# KiCad board trifecta.kicad_pcb (continued)
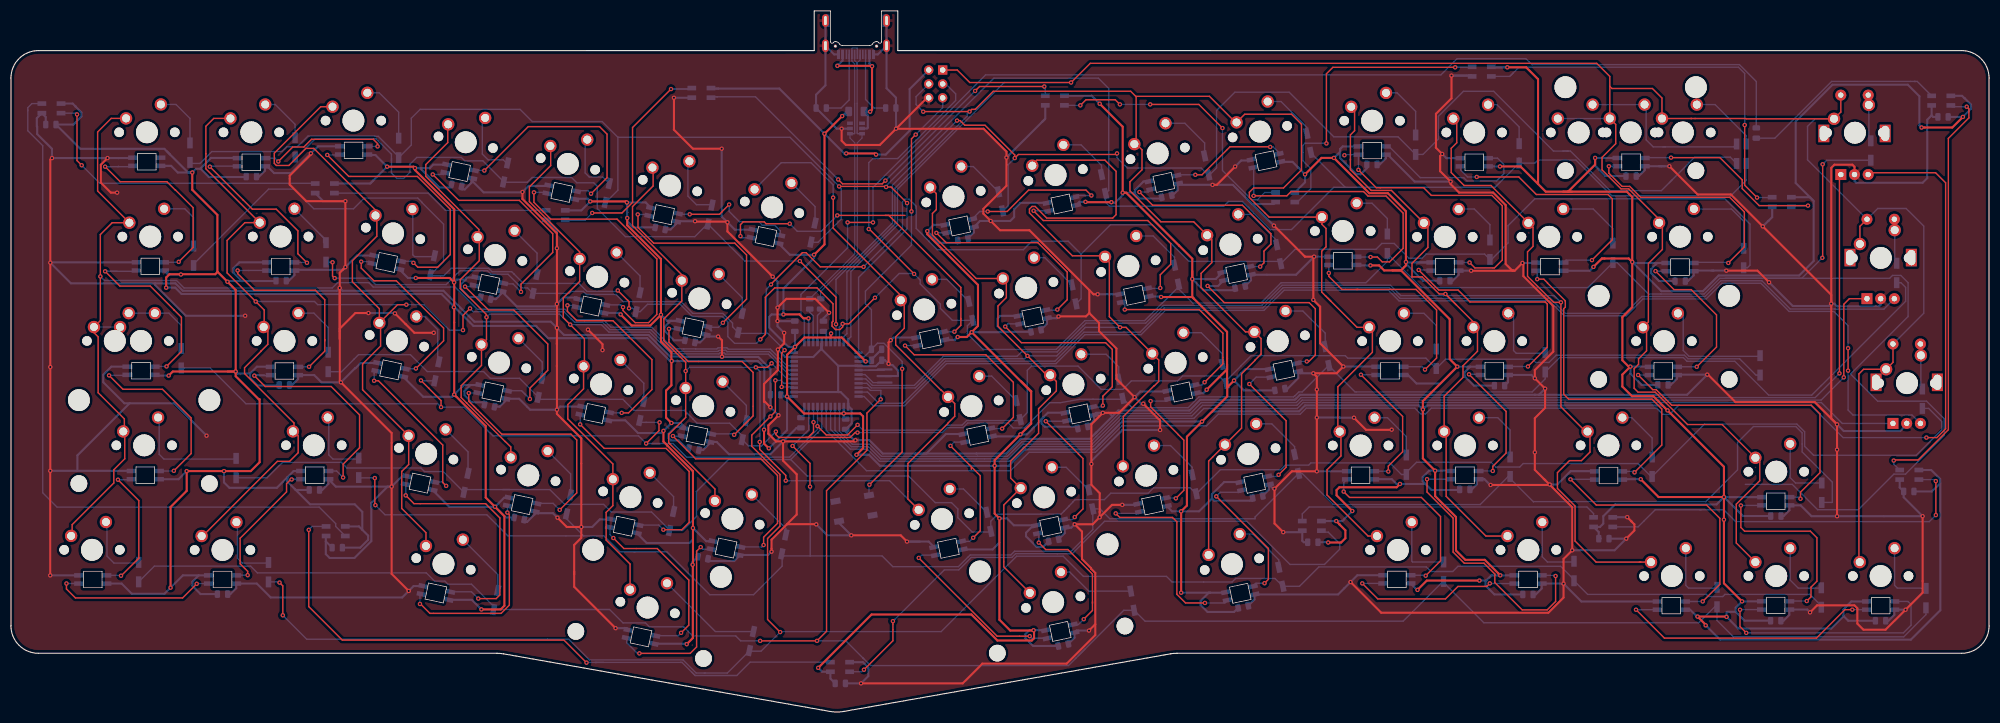
[diagram p0: board, top side]
## Routing (per net, layer and track width the routed paths; a pad name or vN(x,y) marks a point on that pad's centre or on a via; arc(x,y) is an arc through that point) (continued)
  Bottom w0.25: D_7.2 146.75,92.27 K_7.2
Net-(D_8-Pad2): length 8.7
  Bottom w0.25: K_8.2 175.61,99.59 D_8.2
Net-(D_9-Pad2): length 10.2
  Bottom w0.25: K_9.2 195.29,103.55 199.02,99.81 D_9.2
Net-(D_10-Pad2): length 11
  Bottom w0.25: K_10.2 214.24,107.49 217.84,103.89 D_10.2
Net-(D_11-Pad2): length 10.2
  Bottom w0.25: K_11.2 231.78,111.46 236.49,106.74 D_11.2
Net-(D_12-Pad2): length 11.1
  Bottom w0.25: K_12.2 252.98,113.03 256.35,109.67 D_12.2
Net-(D_13-Pad2): length 10.4
  Bottom w0.25: K_13.2 271.18,110.89 275.24,106.83 D_13.2
Net-(D_15-Pad2): length 33.8
  Bottom w0.25: 314.91,103.59 314.92,103.58 ; D_15.2 314.4,103.18 301.89,103.18 ; 301.89,103.18 299.7,103.18 298.41,104.47 298.41,110.62 K_15.2 298.12,110.89 K_14.2 ; 301.89,103.18 301.44,103.18
Net-(D_16-Pad2): length 12.9
  Bottom w0.25: D_16.2 316.65,105.25 311,110.9 307.67,110.9 K_16.2
Net-(D_17-Pad2): length 11.3
  Bottom w0.25: K_17.2 31.73,91.88 33.33,90.28 D_17.2
Net-(D_18-Pad2): length 10.5
  Bottom w0.25: D_18.2 57.5,86.14 56.37,87.27 ; 56.37,87.27 57.05,86.59 57.05,85.67 ; 56.37,87.27 K_18.2
Net-(D_19-Pad2): length 11.6
  Bottom w0.25: D_19.2 77.13,83.15 73.66,83.15 73.33,83.47 73.33,90.91
Net-(D_20-Pad2): length 9.7
  Bottom w0.25: K_20.2 95.32,84.45 95.34,84.45 96.01,83.78 D_20.2
Net-(D_21-Pad2): length 9.1
  Bottom w0.25: D_21.2 114.81,79.62 K_21.2
Net-(D_22-Pad2): length 9
  Bottom w0.25: K_22.2 133.47,75.64 D_22.2
Net-(D_23-Pad2): length 8.4
  Bottom w0.25: D_23.2 170.78,78.99 K_23.2
Net-(D_24-Pad2): length 9
  Bottom w0.25: K_24.2 188.66,82.96 D_24.2
Net-(D_25-Pad2): length 10
  Bottom w0.25: K_25.2 208.45,86.91 212.34,83.03 D_25.2
Net-(D_26-Pad2): length 9.8
  Bottom w0.25: K_26.2 226.22,90.86 230.98,86.1 D_26.2
Net-(D_27-Pad2): length 9.6
  Bottom w0.25: D_27.2 251.19,90.09 248.38,92.9 K_27.2
Net-(D_28-Pad2): length 9.7
  Bottom w0.25: D_28.2 269.91,88.99 267.06,91.84 K_28.2
Net-(D_29-Pad2): length 13.3
  Bottom w0.25: 282.53,91.68 282.58,91.68 ; D_29.2 292.36,88.24 288.76,91.84 K_29.2
Net-(D_30-Pad2): length 15
  Bottom w0.25: K_30.2 307.16,91.82 314,91.82 316.21,89.62 D_30.2
Net-(D_33-Pad2): length 15.2
  Bottom w0.25: K_32.2 26.26,72.83 K_33.2 28.82,72.83 31.07,70.58 D_33.2 30.71,66.01
Net-(D_34-Pad2): length 11.1
  Bottom w0.25: K_34.2 55.28,72.83 57.9,70.21 D_34.2
Net-(D_35-Pad2): length 10.9
  Bottom w0.25: D_35.2 77.88,64.15 77.88,69.82 75.49,72.21 K_35.2
Net-(D_36-Pad2): length 9.1
  Bottom w0.25: D_36.2 96.96,63.9 K_36.2
Net-(D_37-Pad2): length 9.3
  Bottom w0.25: D_37.2 115.49,60.03 K_37.2
Net-(D_38-Pad2): length 8.9
  Bottom w0.25: D_38.2 134.2,55.98 K_38.2
Net-(D_39-Pad2): length 8.6
  Bottom w0.25: K_39.2 178.97,61.33 D_39.2
Net-(D_40-Pad2): length 10.1
  Bottom w0.25: D_40.2 202.16,63.02 199.88,65.31 K_40.2
Net-(D_41-Pad2): length 10.6
  Bottom w0.25: K_41.2 217.21,69.26 221.06,65.41 D_41.2
Net-(D_42-Pad2): length 11.3
  Bottom w0.25: K_42.2 235.77,73.21 238.63,70.34 238.69,70.34 239.85,69.19 239.85,66.75
Net-(D_43-Pad2): length 11.1
  Bottom w0.25: D_43.2 260.11,70.55 257.86,72.8 K_43.2
Net-(D_44-Pad2): length 12.8
  Bottom w0.25: 274.22,72.77 274.22,65.99 274.72,65.49 279.98,65.49 280,65.51
Net-(D_45-Pad2): length 21.2
  Bottom w0.25: 305.18,72.77 305.18,66.01 306.24,64.94 319.2,64.94
Net-(D_47-Pad2): length 21.1
  Bottom w0.25: 27.05,53.72 27.05,47.05 27.91,46.19 41.09,46.19
Net-(D_48-Pad2): length 12.9
  Bottom w0.25: 58,53.72 58,46.94 58.76,46.19 63.8,46.19 63.82,46.17
Net-(D_49-Pad2): length 9.7
  Bottom w0.25: D_49.2 83.41,47.5 K_49.2
Net-(D_50-Pad2): length 9.7
  Bottom w0.25: D_50.2 102.14,43.46 K_50.2
Net-(D_51-Pad2): length 8.9
  Bottom w0.25: D_51.2 120.93,39.33 K_51.2
Net-(D_52-Pad2): length 9.9
  Bottom w0.25: K_52.2 141.41,33.51 D_52.2
Net-(D_53-Pad2): length 8.5
  Bottom w0.25: D_53.2 173.83,40.72 K_53.2
Net-(D_54-Pad2): length 8.4
  Bottom w0.25: D_54.2 192.57,44.68 K_54.2
Net-(D_55-Pad2): length 10
  Bottom w0.25: K_55.2 211.61,48.65 215.57,44.69 D_55.2
Net-(D_56-Pad2): length 10.2
  Bottom w0.25: K_56.2 230.1,52.61 234.26,48.45 D_56.2
Net-(D_57-Pad2): length 10.6
  Bottom w0.25: K_57.2 251.21,53.74 254.65,50.29 D_57.2 ; 254.3,46.44 254.31,46.44
Net-(D_58-Pad2): length 11.6
  Bottom w0.25: D_58.2 273.59,51.48 271.33,53.74 K_58.2 ; 273.21,46.44 273.23,46.42
Net-(D_59-Pad2): length 10.5
  Bottom w0.25: 299.5,46.44 299.51,46.43 ; D_59.2 299.51,50.03 295.78,53.76 K_59.2
Net-(D_60-Pad2): length 12.3
  Bottom w0.25: K_60.2 324.7,42.8 325.68,41.81 D_60.2
Net-(D_62-Pad2): length 12.5
  Bottom w0.25: 23.31,27.2 18.8,27.2 17.52,28.48 17.52,34.67
Net-(D_63-Pad2): length 12.6
  Bottom w0.25: 46.99,27.18 46.98,27.2 42.2,27.2 41.33,28.06 41.33,34.67
Net-(D_64-Pad2): length 11.9
  Bottom w0.25: D_64.2 88.83,25.12 K_64.2
Net-(D_65-Pad2): length 19.4
  Bottom w0.25: K_65.2 128.55,14.7 D_65.2
Net-(D_66-Pad2): length 14.2
  Bottom w0.25: K_66.2 193.22,25.56 196.7,22.07 D_66.2
Net-(D_67-Pad2): length 10.4
  Bottom w0.25: D_67.2 231.37,27.77 226.65,32.49 K_67.2
Net-(D_68-Pad2): length 13.1
  Bottom w0.25: K_68.2 255.65,27.53 255.79,27.39 261.32,27.39 261.45,27.26
Net-(D_69-Pad2): length 12.5
  Bottom w0.25: 285.25,27.4 285.24,27.39 280.41,27.39 279.46,28.34 K_69.2
Net-(D_70-Pad2): length 12.7
  Bottom w0.25: 311.35,22.65 311.33,22.63 306.15,22.63 305.65,23.13 K_70.2
Net-(D_71-Pad2): length 12.3
  Bottom w0.25: 330.32,22.63 330.45,22.76 ; 330.38,22.56 330.32,22.63 326.17,22.63 324.7,24.1 K_71.2
Net-(D_72-Pad2): length 12.8
  Bottom w0.25: 349.47,22.45 349.3,22.63 344.25,22.63 343.75,23.13 K_72.2
Net-(J1-PadA5): length 13.1
  Bottom w0.25: R2.2 151.49,110.27 152.97,111.75 J1.A5
Net-(J1-PadB5): length 12.5
  Bottom w0.25: J1.B5 155.97,111.82 157.52,110.27 R3.2
Net-(J2-Pad5): length 90.5
  Top w0.25: v1(162.64,62.66) 162.64,47.48 v1(156.66,41.5) ; v1(164.34,91.4) 164.34,104.65 v1(165.11,105.42)
  Bottom w0.25: v1(165.11,105.42) 170.03,110.34 J2.5 ; 154.49,64.82 155.49,64.82 ; U1.13 155.69,64.82 157.03,66.16 R1.2 ; R1.2 158.13,67.33 159.31,67.33 162.64,64 v1(162.64,62.66) ; R1.2 157.03,73.45 155.94,74.55 155.94,76.84 164.34,85.24 v1(164.34,91.4) ; v1(156.66,41.5) 156.59,41.43 SW1.2
Net-(LED1-Pad4): length 38.6
  Top w0.25: v1(30.61,82.19) 33.24,84.83 33.24,92.08 30.03,95.3 29.99,95.3 28.46,96.82 19.93,96.82 v1(17.19,99.56)
  Bottom w0.25: 27.61,82.1 27.96,82.44 ; v1(17.19,99.56) 19.51,99.56 ; 19.51,99.56 22.13,99.56 LED1.4 ; 19.51,99.56 19.6,99.65 ; LED17.2 30.52,82.11 v1(30.61,82.19)
Net-(LED2-Pad4): length 26
  Top w0.25: v1(66.91,103.27) 66.91,103.78 66.16,104.53 66.16,104.56 54.86,104.56 53.45,103.15 51.43,103.15 v1(48.79,100.51)
  Bottom w0.25: 65.87,103.28 LED3.2 65.04,103.27 v1(66.91,103.27) ; 46.37,101.11 48.19,101.11 v1(48.79,100.51)
Net-(LED4-Pad4): length 43.3
  Top w0.25: v1(105.86,94.62) 108.78,97.54 108.78,105.52 107.42,106.88 94.41,106.88 v1(86.39,98.86)
  Bottom w0.25: v1(86.39,98.86) 86.35,98.9 LED4.4 ; 103.12,95.18 105.3,95.18 v1(105.86,94.62)
Net-(LED6-Pad4): length 23.1
  Top w0.25: v1(131.07,92.65) 129.8,91.38 129.8,91.35 129.32,90.87 v1(123.87,90.87)
  Bottom w0.25: LED6.4 121.84,90.87 v1(123.87,90.87) ; LED7.2 140.39,87.87 139.39,88.87 137.14,88.87 136.48,89.53 132.92,89.53 132.01,90.44 132.01,90.45 131.07,91.39 v1(131.07,92.65)
Net-(LED8-Pad4): length 27.8
  Top w0.25: v1(178.25,91.38) 181.8,91.38 185.71,95.29 196.18,95.29 v1(197.17,94.31)
  Bottom w0.25: LED8.4 176.79,91.38 v1(178.25,91.38) ; 197.05,94.43 v1(197.17,94.31) 194.37,94.31 LED9.2
Net-(LED10-Pad2): length 38.2
  Top w0.25: v1(205.93,94.94) 208.35,92.53 224.73,92.53 229.94,87.32 229.94,85.42 228.67,84.15 228.67,82 v1(227.98,81.32)
  Bottom w0.25: v1(205.93,94.94) 207.56,94.94 208,95.38 ; v1(227.98,81.32) 225.98,81.32 LED26.4
Net-(LED10-Pad4): length 21.6
  Top w0.25: v1(229.8,103.16) 229.76,103.2 222.47,103.2 217.36,98.08 v1(216.14,98.08)
  Bottom w0.25: v1(216.14,98.08) 213.02,98.08 212.66,97.73 ; v1(229.8,103.16) 230.37,103.16 231.33,102.2 LED11.2
Net-(LED11-Pad4): length 51.2
  Top w0.25: v1(248.12,83.07) 249.37,83.07 250.25,82.18 251.59,82.18 254.06,84.66 254.06,91.08 250.95,94.2 247.67,94.2 246.85,95.02 233.62,95.02 232.84,94.24 v1(226.79,94.24) 226.47,94.24
  Bottom w0.25: LED11.4 226.79,99.36 v1(226.79,94.24) 226.74,94.29 ; v1(248.12,83.07) 245.61,83.07 LED27.2
Net-(LED12-Pad2): length 53.4
  Top w0.25: v1(266.18,82.06) 267.17,81.08 270.73,81.08 272.16,82.52 272.16,92.43 270.27,94.32 259.21,94.32 257.8,95.73 249.92,95.73 ; 249.92,95.73 249.8,95.73 ; 249.92,95.73 249.16,95.73 v1(245.91,98.98)
  Bottom w0.25: v1(243.35,101.65) 243.46,101.76 LED12.2 245.92,98.99 v1(245.91,98.98) ; v1(266.18,82.06) 266.16,82.09 LED28.4
Net-(LED12-Pad4): length 29.7
  Bottom w0.25: LED12.4 251.49,103.26 257.19,97.57 265.11,97.57 265.71,96.96 271.12,96.96 272.45,98.3 272.45,99.96 271.29,101.12 LED13.2
Net-(LED13-Pad4): length 48.8
  Top w0.25: 267.29,97.69 v1(267.5,97.69) 275.17,97.69 278.38,94.49 291.45,94.49 292.24,93.7 292.24,86.22 v1(288.53,82.51)
  Bottom w0.25: v1(288.53,82.51) 283.8,82.51 LED29.2 ; LED13.4 264.56,98.96 265.83,97.69 v1(267.5,97.69)
Net-(LED15-Pad2): length 47.6
  Top w0.25: v1(313.41,81.99) 316.34,84.93 316.34,91.29 313.66,93.98 297.41,93.98 295.42,95.97 294.02,95.97 291.62,98.37 v1(291.62,99.65)
  Bottom w0.25: v1(313.41,81.99) 313.3,82.1 307.21,82.1 LED30.4 ; v1(291.62,99.65) 291.62,99.64 LED15.2 293.02,99.79
Net-(LED15-Pad4): length 37.6
  Top w0.25: v1(327.95,92.45) 319.05,92.45 315.95,95.56 315.95,97.15 311.88,101.22 v1(302.96,101.22)
  Bottom w0.25: v1(327.95,92.45) 325.13,92.45 ULED14.2 ; 302.89,101.15 v1(302.96,101.22) 298.24,101.22 LED15.4 ; 325.74,92.45 325.71,92.48
Net-(LED17-Pad4): length 37.7
  Top w0.25: v1(17.19,80.46) 19.88,77.77 25.42,77.77 29.77,73.42 29.77,73.41 31.11,72.06 31.11,65.82 v1(28.39,63.1)
  Bottom w0.25: 19.4,80.46 v1(17.19,80.46) 22.79,80.46 LED17.4 ; v1(28.39,63.1) 26.28,63.1 LED33.2
Net-(LED18-Pad2): length 39.5
  Top w0.25: 57.27,67.98 57.27,65.89 v1(54.4,63.03) ; 57.27,67.98 57.27,75.28 55.54,77.01 44.42,77.01 41.37,80.06 v1(41.37,80.61) ; 57.27,67.98 57.27,67.76
  Bottom w0.25: LED18.2 46.71,80.61 43.4,80.61 ; 43.4,80.61 43.41,80.6 ; 43.4,80.61 v1(41.37,80.61) ; LED34.4 54.39,63.01 v1(54.4,63.03)
Net-(LED18-Pad4): length 34.9
  Top w0.25: v1(54.02,82.02) 52.36,83.67 52.36,87.86 48.42,91.81 44.06,91.81 42.42,93.44 42.42,93.44 v1(36.29,99.56)
  Bottom w0.25: 41.37,99.61 41.32,99.66 36.39,99.66 v1(36.29,99.56) ; LED18.4 53.95,82.09 v1(54.02,82.02)
Net-(LED19-Pad2): length 47.6
  Top w0.25: v1(73.45,82.01) 74.25,81.21 77.87,81.21 80.17,83.51 80.17,91.78 74.17,97.79 61.65,97.79 v1(57.73,101.71)
  Bottom w0.25: v1(57.73,101.71) 59.95,101.71 LED3.4 ; LED19.2 73.16,82.3 v1(73.45,82.01)
Net-(LED19-Pad4): length 34.4
  Top w0.25: v1(63.92,82.22) 63.92,81.04 66.23,78.74 70.32,78.74 78.95,70.1 78.95,67.78 v1(73.89,62.72)
  Bottom w0.25: v1(63.92,82.22) 65.62,82.22 LED19.4 ; LED35.2 73.86,62.68 v1(73.89,62.72)
Net-(LED20-Pad2): length 38.4
  Top w0.25: v1(82.87,77.67) 87.14,73.4 91.76,73.4 97.96,67.2 97.96,62.38 94.71,59.13 v1(94.71,57.15)
  Bottom w0.25: 84.93,77.67 85.04,77.55 ; LED20.2 84.42,77.67 v1(82.87,77.67) ; LED36.4 93.19,58.66 93.87,57.98 ; 93.87,57.98 v1(94.71,57.15) ; 93.87,57.98 93.31,58.54
Net-(LED20-Pad4): length 45.3
  Top w0.25: v1(76.98,98.14) 81.7,93.42 92.78,93.42 98.87,87.33 98.87,83.91 93.08,78.13 v1(93.08,76.7)
  Bottom w0.25: 90.23,78.16 91.62,78.16 v1(93.08,76.7) ; v1(76.98,98.14) 78.95,98.14 LED4.2
Net-(LED21-Pad2): length 53
  Top w0.25: v1(111.7,73.92) 111.7,73.3 113.91,71.09 116.36,71.09 117.87,72.59 117.87,82.73 110.61,89.99 98.51,89.99 95.44,93.05 v1(95.44,94.88)
  Bottom w0.25: v1(95.44,94.88) 97.63,94.88 97.93,94.57 ; LED21.2 111.29,74.33 v1(111.7,73.92)
Net-(LED21-Pad4): length 37.1
  Top w0.25: v1(101.55,74.25) 101.55,73.14 103.25,71.45 109.86,71.45 116.97,64.33 116.97,58.87 113.29,55.19 113.28,55.19 112.71,54.61 v1(111.46,54.61)
  Bottom w0.25: LED21.4 102.91,74.25 v1(101.55,74.25) ; v1(111.46,54.61) 109.25,54.61 LED37.2
Net-(LED22-Pad2): length 39
  Top w0.25: v1(120.08,69.96) 120.08,67.52 123.6,64 133.44,64 135.44,62.01 135.44,54.07 v1(131.98,50.61)
  Bottom w0.25: v1(120.08,69.96) 120.09,69.95 LED22.2 ; v1(131.98,50.61) 131.82,50.78 LED38.4
Net-(LED22-Pad4): length 44.5
  Top w0.25: v1(114.39,90.85) 114.43,90.81 114.43,88.47 117.29,85.61 132.09,85.61 134.24,83.45 134.24,75.38 v1(129.92,71.06)
  Bottom w0.25: LED22.4 127.2,70.25 129.11,70.25 v1(129.92,71.06) ; LED6.2 116.24,90.85 v1(114.39,90.85)
  Bottom w0.381: 127.81,69.64 127.43,70.02
Net-(LED23-Pad2): length 66.6
  Top w0.25: v1(133.13,86.89) 133.13,88.98 133.63,89.49 137.47,89.49 137.81,89.15 v1(142.12,89.15) ; 173.35,71.84 173.35,70.6 v1(172.18,69.44) ; 173.35,71.84 173.35,77.53 160.2,90.67 159.57,90.67 ; 173.35,71.84 173.35,71.62 ; 163.15,90.67 159.57,90.67 ; 159.57,90.67 v1(150.81,90.67)
  Bottom w0.25: v1(172.18,69.44) 172.15,69.41 LED23.2 ; v1(142.12,89.15) 143.5,87.77 147.9,87.77 150.16,90.04 150.17,90.04 v1(150.81,90.67) ; v1(133.13,86.89) 133.42,86.59 LED7.4
Net-(LED23-Pad4): length 36.4
  Top w0.25: v1(163.16,66.9) 164.84,65.22 177.91,65.22 180.59,62.54 180.6,62.54 182.94,60.2 182.94,53.79 v1(180.89,51.74)
  Bottom w0.25: v1(163.16,66.9) 163.17,66.9 LED23.4 ; v1(180.89,51.74) 178.76,51.74 LED39.2
Net-(LED24-Pad2): length 37.4
  Top w0.25: v1(181.45,70.38) 184.4,67.43 199.77,67.43 200.98,66.22 200.98,59.38 199.27,57.67 v1(199.27,55.95)
  Bottom w0.25: LED24.2 181.94,70.86 v1(181.45,70.38) ; 199.12,56.1 v1(199.27,55.95) 199,55.69 LED40.4
Net-(LED24-Pad4): length 38.6
  Top w0.25: v1(168.89,87.48) 170.68,85.69 187.4,85.69 192.77,80.33 192.77,75.28 v1(190.96,73.47)
  Bottom w0.25: LED24.4 190.86,73.37 v1(190.96,73.47) ; v1(168.89,87.48) 168.9,87.49 LED8.2
Net-(LED25-Pad2): length 42
  Top w0.25: v1(209.74,77.41) 209.74,79.83 211.65,81.73 211.65,85.54 207.46,89.73 188.41,89.73 v1(186.63,91.51)
  Bottom w0.25: 209.65,77.32 v1(209.74,77.41) 209.67,77.34 LED25.2 207.39,77.41 ; LED9.4 189.47,91.51 v1(186.63,91.51)
Net-(LED25-Pad4): length 34.6
  Top w0.25: v1(217.84,60.22) 221.17,63.55 221.17,69.16 216.86,73.48 v1(203.27,73.48)
  Bottom w0.25: LED41.2 217.3,59.68 v1(217.84,60.22) ; 215.84,59.38 216.48,60.02 ; LED25.4 203.27,74.31 v1(203.27,73.48)
Net-(LED26-Pad2): length 39.9
  Top w0.25: v1(218.38,77.8) 221.43,74.75 236.92,74.75 238.05,73.62 238.05,65.19 236.87,64.01 v1(236.48,64.01)
  Bottom w0.25: 220.76,78.32 220.23,77.8 v1(218.38,77.8) 220.38,77.8 LED26.2 ; LED42.4 234.97,64.01 v1(236.48,64.01)
Net-(LED27-Pad4): length 40.5
  Top w0.25: 245.82,77.16 256.41,77.16 260.17,73.4 260.17,64.64 v1(258.06,62.52) ; 245.82,77.16 242.89,77.16 240.51,79.53 v1(240.51,80.15) ; 245.82,77.16 245.51,77.16
  Bottom w0.25: LED27.4 240.51,81.58 v1(240.51,80.15) ; v1(258.06,62.52) 257.54,63.04 LED43.2
Net-(LED28-Pad2): length 45
  Top w0.25: v1(276.84,63.09) 280.38,66.62 280.38,74.48 280,74.86 266.27,74.86 264.09,77.05 260.56,77.05 v1(256.9,80.71)
  Bottom w0.25: LED44.4 273.27,63.09 v1(276.84,63.09) 276.81,63.05 ; LED28.2 259.08,80.71 v1(256.9,80.71)
Net-(LED29-Pad4): length 60.8
  Top w0.25: v1(296.29,43.76) 301.27,48.73 301.27,55.33 299.47,57.13 284.27,57.13 283.37,58.03 283.37,73.63 283.67,73.93 283.67,75.06 280.41,78.31 280.41,78.36 279.74,79.03 v1(278.54,79.03)
  Bottom w0.25: v1(278.54,79.03) 278.54,80.37 LED29.4 ; LED59.2 296.12,43.93 v1(296.29,43.76) 296.07,43.98
Net-(LED30-Pad2): length 31
  Top w0.25: v1(307.65,63.03) 311.26,66.64 311.26,72.5 306.64,77.12 303.5,77.12 v1(300.12,80.5)
  Bottom w0.25: v1(300.12,80.5) 300.14,80.48 LED30.2 ; LED45.4 304.07,63.03 v1(307.65,63.03)
Net-(LED33-Pad4): length 35.3
  Top w0.25: v1(29.73,44.04) 32.88,47.19 32.88,53.69 27.65,58.92 20.44,58.92 v1(17.9,61.46)
  Bottom w0.25: LED47.2 29.7,44 v1(29.73,44.04) ; LED33.4 21.14,61.46 v1(17.9,61.46)
Net-(LED34-Pad2): length 43
  Top w0.25: v1(60.62,42.82) 60.62,45.26 63.62,48.26 63.62,54.25 58.44,59.43 46.4,59.43 v1(44.42,61.41)
  Bottom w0.25: LED34.2 47.3,61.41 v1(44.42,61.41) 44.55,61.55 46.27,61.55 ; v1(60.62,42.82) 59.44,44 LED48.4
Net-(LED35-Pad4): length 29.5
  Top w0.25: v1(79.42,41.29) 78.8,41.91 78.8,48.75 67.06,60.48 v1(66.27,60.48)
  Bottom w0.25: LED35.4 66.27,61.85 v1(66.27,60.48) ; LED49.2 78.71,42 v1(79.42,41.29)
Net-(LED36-Pad2): length 45.5
  Top w0.25: 84.94,55.36 83.55,56.75 v1(83.55,58.23) ; 84.94,55.36 84.42,55.88 ; 84.94,55.36 85.2,55.1 ; 85.2,55.1 85.13,55.1 ; 85.2,55.1 89.57,50.73 102.19,50.73 103.25,49.66 103.25,40.01 v1(100.14,36.9)
  Bottom w0.25: v1(100.14,36.9) 98.95,38.09 95.89,38.09 LED50.4 ; v1(83.55,58.23) 83.55,58.23 LED36.2
Net-(LED37-Pad4): length 44.7
  Top w0.25: v1(103.88,52.52) 108.27,48.13 119.57,48.13 123.77,43.93 123.77,34.63 122.42,33.28 v1(119.07,33.28)
  Bottom w0.25: v1(103.88,52.52) 103.88,54.24 LED37.4 ; LED51.2 118.21,34.14 v1(119.07,33.28)
Net-(LED38-Pad2): length 42
  Top w0.25: v1(120.81,50.39) 124.96,46.24 136.85,46.24 139.89,43.19 139.89,34.45 137.35,31.92 v1(137.35,30.49)
  Bottom w0.25: v1(137.35,30.49) 137.01,30.14 LED52.4 ; v1(120.81,50.39) 120.84,50.35 LED38.2
Net-(LED39-Pad4): length 26
  Top w0.25: 174.9,45.15 175.26,44.79 175.26,44.33 ; 174.9,45.15 176.89,43.16 176.89,33.1 v1(175.61,31.82) ; 174.9,45.15 v1(171.46,48.6)
  Bottom w0.25: v1(171.46,48.6) 172.15,49.28 LED39.4 ; v1(175.61,31.82) 174.94,31.15 LED53.2
Net-(LED40-Pad2): length 27.2
  Top w0.25: v1(194.14,35.59) 195.64,37.09 195.64,46.28 194.82,47.1 194.82,47.12 v1(188.85,53.09)
  Bottom w0.25: LED54.4 193.68,35.13 v1(194.14,35.59) ; v1(188.85,53.09) 192.66,53.09 LED40.2
Net-(LED41-Pad4): length 26.4
  Top w0.25: v1(207.98,56.77) 207.98,55.72 213.04,50.66 213.04,50.64 214.05,49.63 214.05,40.47 v1(212.59,39.01)
  Bottom w0.25: v1(207.98,56.77) 210.96,56.77 LED41.4 ; LED55.2 212.53,39.07 v1(212.59,39.01)
Net-(LED42-Pad2): length 26.7
  Top w0.25: v1(231.34,43.31) 232.71,44.68 232.71,53.18 v1(226,59.89)
  Bottom w0.25: LED56.4 231.04,43.02 v1(231.34,43.31) ; v1(226,59.89) 226.66,60.55 226.66,60.56 227.25,61.15 LED42.2
Net-(LED43-Pad4): length 27.4
  Top w0.25: v1(246.36,61.58) 253.97,53.97 253.97,47.51 251.36,44.91 v1(251.36,43.91)
  Bottom w0.25: LED43.4 249.12,61.58 v1(246.36,61.58) ; 251.27,44.01 v1(251.36,43.91) 251.31,43.97 LED57.2
Net-(LED44-Pad2): length 26.7
  Top w0.25: v1(266.09,61.66) 272.85,54.89 272.85,47.28 270.43,44.86 v1(270.43,44.01)
  Bottom w0.25: v1(270.43,44.01) 270.42,44.02 267.55,44.02 ; 266.2,61.55 v1(266.09,61.66) 268.08,61.66 LED44.2
Net-(LED45-Pad2): length 57.4
  Top w0.25: v1(296.95,61.53) 299.62,58.86 300.24,58.86 303.08,56.01 328.55,56.01 330.14,54.43 330.14,43.7 326.58,40.14 v1(326.58,38.93)
  Bottom w0.25: LED45.2 296.96,61.52 v1(296.95,61.53) ; v1(326.58,38.93) 326.28,39.23 LED60.4
Net-(LED47-Pad4): length 25.7
  Top w0.25: v1(20.08,24.89) 20.13,24.89 23.33,28.09 23.33,38.6 v1(19.52,42.41)
  Bottom w0.25: LED62.2 20.02,24.95 v1(20.08,24.89) ; LED47.4 21.93,42.41 v1(19.52,42.41)
Net-(LED48-Pad2): length 25.9
  Top w0.25: v1(51.22,42.46) 51.06,42.46 50.3,41.7 50.3,40.2 41.82,31.73 41.82,27.06 42.66,26.22 42.67,26.22 43.2,25.7 v1(43.2,24.99)
  Bottom w0.25: v1(43.2,24.99) 41.15,24.99 LED63.4 ; LED48.2 51.26,42.5 v1(51.22,42.46)
Net-(LED49-Pad4): length 44.8
  Top w0.25: v1(72.04,39.55) 73.55,38.04 86.62,38.04 89.22,35.44 89.22,21.38 88.55,20.71 v1(85.28,20.71)
  Bottom w0.25: LED64.2 84.04,21.95 v1(85.28,20.71) ; LED49.4 72.04,41.57 v1(72.04,39.55)
Net-(LED50-Pad2): length 37.9
  Top w0.25: v1(90.59,36.42) 90.95,36.06 90.95,19.52 89.45,18.02 76.46,18.02 74.74,19.73 v1(74.64,19.73)
  Bottom w0.25: v1(90.59,36.42) 90.59,37.58 LED50.2 ; v1(74.64,19.73) 74.64,21.22 LED64.4
Net-(LED51-Pad4): length 34.3
  Top w0.25: v1(122.29,14.46) 123.7,15.87 123.7,24.09 117.94,29.85 111.85,29.85 v1(109.94,31.77)
  Bottom w0.25: LED65.2 121.78,13.94 v1(122.29,14.46) ; v1(109.94,31.77) 109.31,32.39 LED51.4
Net-(LED52-Pad2): length 35.6
  Top w0.25: v1(125.88,30.12) 125.13,29.37 125.13,11.88 123.96,10.71 v1(114.69,10.71)
  Bottom w0.25: v1(114.69,10.71) 114.33,10.71 112.38,12.66 LED65.4 ; v1(125.88,30.12) 126.27,29.72 LED52.2
Net-(LED53-Pad4): length 34.9
  Top w0.25: v1(185.92,13.85) 179.96,13.85 v1(165.68,28.14)
  Bottom w0.25: 187.2,13.47 LED66.2 186.3,13.47 v1(185.92,13.85) ; LED53.4 166.18,28.65 v1(165.68,28.14)
Net-(LED54-Pad2): length 25.5
  Top w0.25: 197.37,20.09 197.37,25.17 192.88,29.66 188.84,29.66 v1(187.57,30.93) ; 197.37,20.09 197.37,19.83 ; 197.37,20.09 197.37,18.54 v1(195.79,16.96)
  Bottom w0.25: LED66.4 194.81,15.98 v1(195.79,16.96) ; LED54.2 187.57,32.48 v1(187.57,30.93)
Net-(LED55-Pad4): length 39.7
  Top w0.25: v1(217.9,19.92) 214.35,19.92 212.77,21.5 212.77,34.73 211.97,35.53 202.35,35.53 v1(201.62,36.27)
  Bottom w0.25: LED55.4 205.75,36.27 v1(201.62,36.27) ; LED67.2 221.53,19.92 v1(217.9,19.92)
Net-(LED56-Pad2): length 28.3
  Top w0.25: v1(228.77,23.52) 229.48,24.23 229.48,29.87 v1(219.97,39.38)
  Bottom w0.25: v1(228.77,23.52) 227.21,23.52 LED67.4 227.1,23.41 ; v1(219.97,39.38) 220.71,40.12 224.29,40.12 LED56.2
Net-(LED57-Pad4): length 36.8
  Top w0.25: v1(258.18,24.89) 260.89,27.6 260.89,35.68 257.4,39.18 244.28,39.18 v1(243.21,40.25)
  Bottom w0.25: LED57.4 243.21,41.89 v1(243.21,40.25) ; LED68.2 258.1,24.98 v1(258.18,24.89) ; 243.21,42.5 243.2,42.51
Net-(LED58-Pad2): length 51.3
  Top w0.25: v1(258.43,42.51) 258.43,40.17 263.19,35.4 263.19,29.2 265.22,27.18 268.82,27.18 270.8,25.2 270.8,23.65 275.8,18.64 280.35,18.64 281.89,20.18 v1(281.89,24.84)
  Bottom w0.25: v1(281.89,24.84) 281.77,24.96 LED69.4 ; 262.55,42.52 262.55,42.51 v1(258.43,42.51)
Net-(LED59-Pad4): length 54.4
  Top w0.25: v1(284.61,42.49) 289.31,37.79 309.44,37.79 311.87,35.36 311.87,23.33 v1(308.74,20.2)
  Bottom w0.25: LED70.2 308.72,20.18 v1(308.74,20.2) ; LED59.4 288.99,42.49 v1(284.61,42.49) ; 288.32,42.49 288.33,42.48
Net-(LED60-Pad2): length 38.1
  Top w0.25: v1(327.73,20.26) 328.5,21.04 328.5,22.8 329.58,23.88 329.58,31.82 328.38,33.02 316.38,33.02 315.7,33.7 v1(315.7,37.71)
  Bottom w0.25: LED71.4 324.6,20.26 v1(327.73,20.26) ; LED60.2 319.54,37.71 v1(315.7,37.71)
Net-(LED62-Pad4): length 31.1
  Top w0.25: v1(33.9,23.41) 31.32,20.83 11.77,20.83 10.13,22.47 v1(10.13,23.46)
  Bottom w0.25: v1(33.9,23.41) 33.94,23.45 LED63.2 ; LED62.4 12.41,23.46 v1(10.13,23.46)
Net-(LED68-Pad4): length 34
  Top w0.25: v1(246.61,23.49) 249.44,20.66 261.8,20.66 264.07,22.93 269.32,22.93 v1(269.88,23.49)
  Bottom w0.25: LED69.2 271.14,23.46 ; 271.14,23.46 269.91,23.46 v1(269.88,23.49) ; 271.14,23.46 271.11,23.43 ; LED68.4 250.41,23.49 v1(246.61,23.49)
Net-(LED70-Pad4): length 50.7
  Top w0.25: v1(336.04,18.69) 334.69,18.69 329.5,13.5 301.75,13.5 v1(296.56,18.68)
  Bottom w0.25: LED72.2 336.05,18.69 v1(336.04,18.69) ; 300.29,18.47 LED70.4 v1(296.56,18.68)
Net-(LED71-Pad2): length 46.4
  Top w0.25: v1(315.55,18.67) 315.55,15.6 v1(316.69,14.46)
  Bottom w0.25: v1(315.55,18.67) 315.58,18.71 LED71.2 ; LED72.4 346.2,20.19 346.76,19.63 346.76,15.85 345.37,14.46 v1(316.69,14.46)
Net-(R4-Pad1): length 6.5
  Bottom w0.25: 147.74,73.54 R4.1 147.76,72.98 147.19,72.41 147.19,67.32
Net-(R5-Pad1): length 6.5
  Bottom w0.25: 146.39,67.32 146.39,72.38 145.78,72.98 R5.1
Net-(R6-Pad2): length 2.4
  Bottom w0.25: R6.2 144.79,54.36 144.79,55.92
Net-(R7-Pad1): length 37.6
  Bottom w0.25: R7.1 321.91,104.77 332.27,115.13 347.39,115.13 ; 347.39,115.13 347.57,115.13 ; 347.39,115.13 347.89,115.13 ULED1.4
Net-(U1-Pad16): length 6.7
  Bottom w0.25: Y1.3 159.35,62.42 156.58,62.42 ; 156.58,62.42 158.01,62.42 158.13,62.54 ; 156.58,62.42 154.49,62.42
Net-(U1-Pad17): length 4.3
  Bottom w0.25: 154.49,61.62 155.85,61.62 157.33,60.14 158.13,60.14
Net-(ULED1-Pad2): length 78.3
  Top w0.25: v1(356.92,110.51) 357.32,110.11 357.32,108.48 353.57,104.73 353.57,51.54 348.05,46.02 343.71,46.02 v1(343.6,45.92)
  Bottom w0.25: 356.86,110.57 v1(356.92,110.51) ; v1(356.92,110.51) 356.89,110.48 ; v1(356.92,110.51) 354.25,110.51 ULED1.2 ; ULED2.4 343.6,45.27 v1(343.6,45.92)
Net-(ULED2-Pad2): length 71.4
  Top w0.25: v1(351.29,35.96) 351.29,42.17 351.31,42.19
  Bottom w0.25: 308.42,36.93 300.07,36.93 296.94,33.8 ULED3.4 ; 308.42,36.93 312.59,36.93 314.76,34.76 350.1,34.76 v1(351.29,35.96) ; 308.42,36.93 308.19,36.93 ; ULED2.2 351.01,42.44 v1(351.28,42.17) 351.31,42.19
Net-(ULED3-Pad2): length 56.2
  Bottom w0.25: ULED3.2 288.82,36.24 287.62,37.43 236.91,37.43 235.66,36.18 ULED4.4
Net-(ULED4-Pad2): length 111.8
  Top w0.25: v1(160.95,16.6) 160.95,13.01 v1(155.67,7.73)
  Bottom w0.25: ULED5.4 155.3,7.36 v1(155.67,7.73) ; 239.91,32.84 240.4,32.84 242.49,30.75 242.49,29.72 239.71,26.94 233.43,26.94 225.54,34.83 199.59,34.83 193.66,28.9 190.94,28.9 190.93,28.91 183.34,28.91 182.66,28.22 175.24,28.22 172.97,25.95 170.34,25.95 161.38,17 161.35,17 v1(160.95,16.6)
Net-(ULED5-Pad2): length 121.6
  Top w0.25: v1(105.03,9.02) 100.92,13.13 60.47,13.13 54.35,19.25 v1(54.35,33.26)
  Bottom w0.25: 124.86,6.67 122.47,9.06 122.18,9.06 ; 124.86,6.67 124.18,7.35 ; 124.86,6.67 132.47,6.67 134.9,9.11 ULED5.2 ; 108.1,9.06 122.18,9.06 ; 108.1,9.06 105.08,9.06 v1(105.03,9.02) ; 108.1,9.06 106.78,9.06 ; 122.18,9.06 122.39,9.06 ; 106.74,9.02 106.78,9.06 ; 106.78,9.06 106.62,9.06 ; ULED6.4 54.97,33.89 v1(54.35,33.26)
